# KiCad board mushi_rounded.kicad_pcb
title: mushi; rev: v1.0.0; company: Unknown
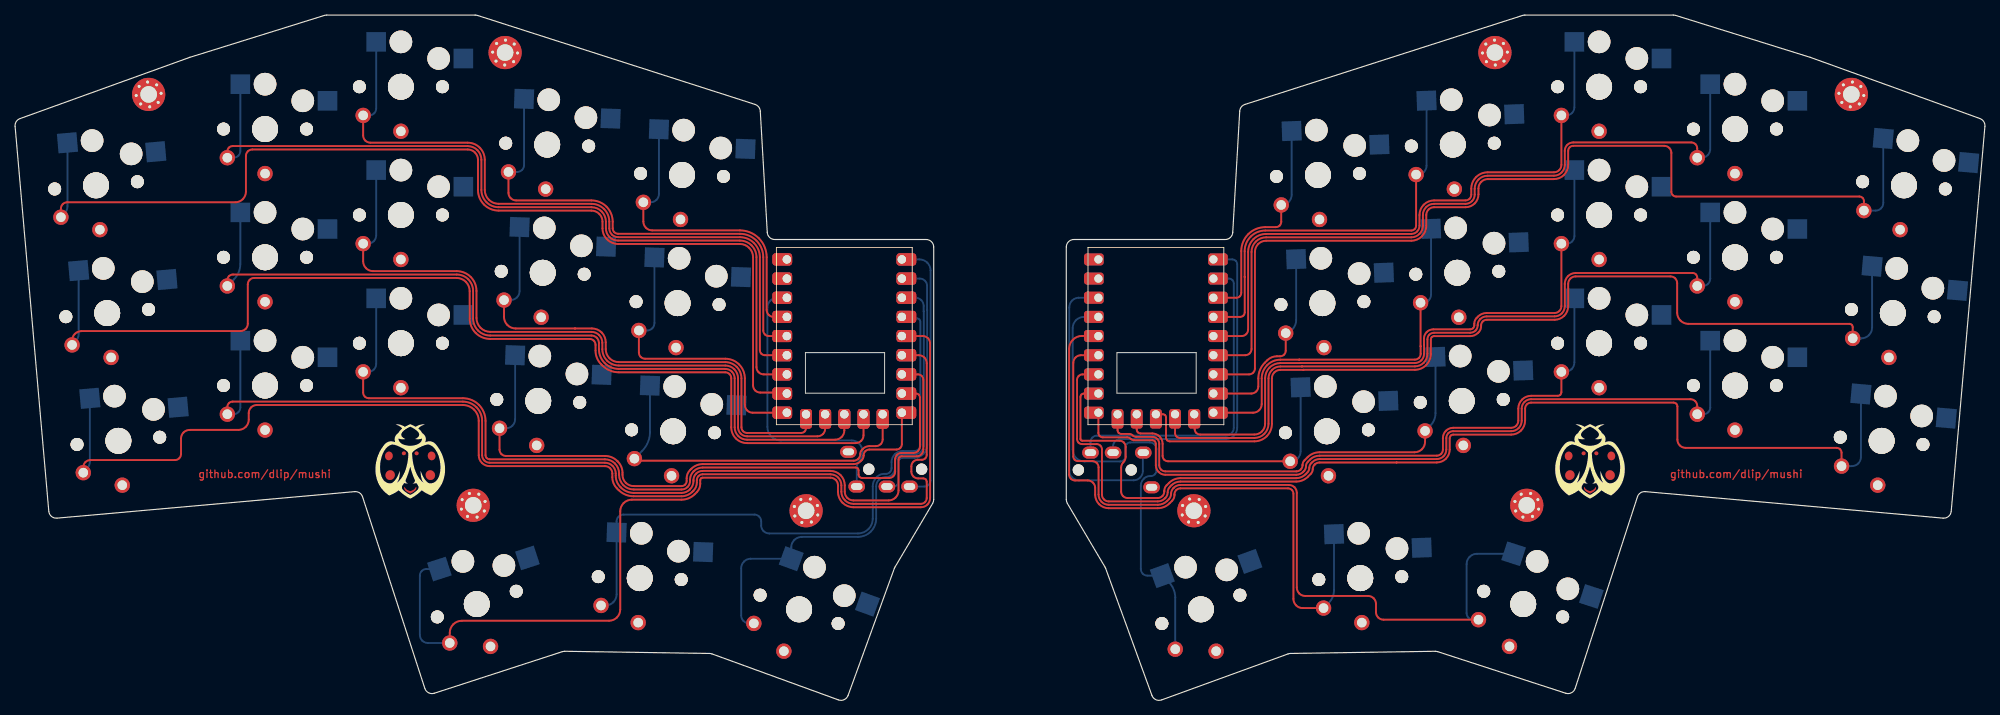
[diagram p0: board, top side]
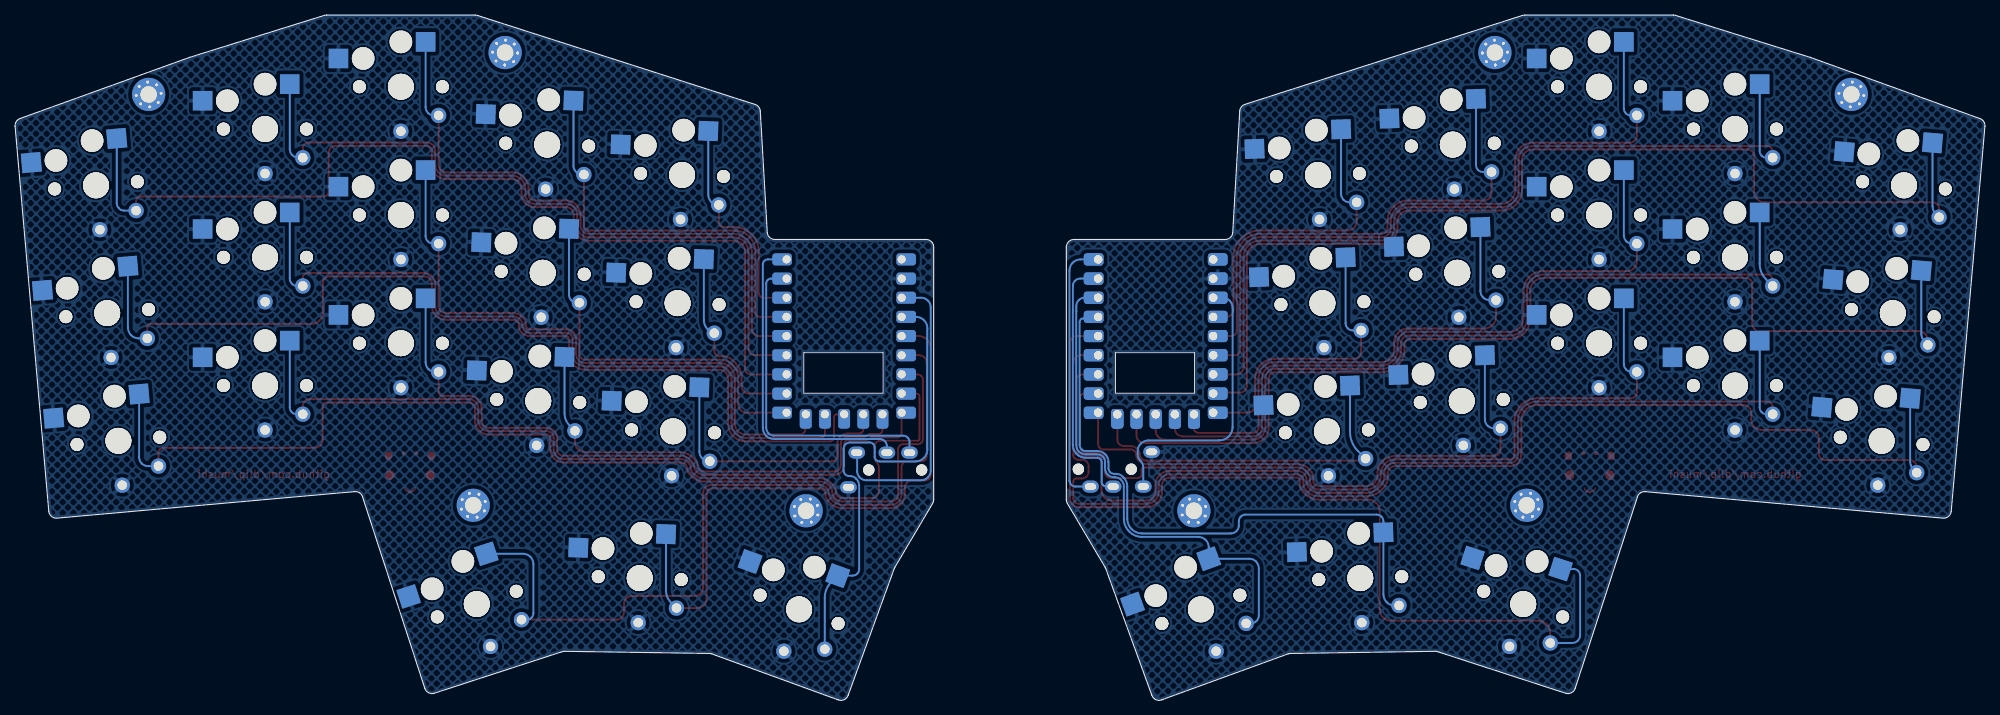
[diagram p1: board, bottom side, seen from below]

Outline 261.02 x 90.79 mm; copper layers: Top, Bottom. Coordinates in mm from the lower left corner of the outline.
Outline path: 0,76.04 arc(0.15,76.67) 0.66,77.07 23.1,85.17 arc(23.12,85.18) 23.14,85.18 40.98,90.74 arc(41.12,90.77) 41.27,90.79 60.96,90.79 arc(61.12,90.77) 61.27,90.74 98.05,78.94 arc(98.54,78.6) 98.74,78.05 99.67,61.98 arc(99.98,61.31) 100.67,61.04 120.72,61.04 arc(121.43,60.74) 121.72,60.04 121.72,26.56 arc(121.69,26.3) 121.58,26.05 116.58,17.59 arc(116.54,17.51) 116.5,17.43 110.38,0.6 arc(109.86,0.03) 109.1,0 92.34,6.1 arc(92.18,6.14) 92.01,6.16 72.84,6.45 arc(72.67,6.44) 72.51,6.4 55.55,0.89 arc(54.79,0.95) 54.29,1.53 46.04,26.93 arc(45.64,27.45) 45,27.61 5.55,24.1 arc(4.82,24.33) 4.46,25.01 0,76.04 ; 139.29,60.04 139.29,26.56 arc(139.33,26.3) 139.43,26.05 144.43,17.59 arc(144.48,17.51) 144.51,17.43 150.64,0.6 arc(151.15,0.03) 151.92,0 168.68,6.1 arc(168.84,6.14) 169,6.16 188.18,6.45 arc(188.34,6.44) 188.5,6.4 205.46,0.89 arc(206.23,0.95) 206.72,1.53 214.97,26.93 arc(215.37,27.45) 216.01,27.61 255.47,24.1 arc(256.2,24.33) 256.55,25.01 261.02,76.04 arc(260.86,76.67) 260.36,77.07 237.92,85.17 arc(237.89,85.18) 237.87,85.18 220.04,90.74 arc(219.89,90.77) 219.74,90.79 200.05,90.79 arc(199.9,90.77) 199.75,90.74 162.97,78.94 arc(162.48,78.6) 162.27,78.05 161.35,61.98 arc(161.04,61.31) 160.35,61.04 140.29,61.04 arc(139.59,60.74) 139.29,60.04

## Placement (name value [footprint] x y rotation side)
_1  -  [MountingHole_2.2mm_M2_Pad_Via]  17.7 80.27 5 top
_2  -  [MountingHole_2.2mm_M2_Pad_Via]  64.93 85.82 358 top
_3  -  [MountingHole_2.2mm_M2_Pad_Via]  60.71 25.8 18 top
_4  -  [MountingHole_2.2mm_M2_Pad_Via]  104.81 25.08 340 top
_5  -  [MountingHole_2.2mm_M2_Pad_Via]  243.32 80.27 355 top
_6  -  [MountingHole_2.2mm_M2_Pad_Via]  196.09 85.82 2 top
_7  -  [MountingHole_2.2mm_M2_Pad_Via]  200.31 25.8 342 top
_8  -  [MountingHole_2.2mm_M2_Pad_Via]  156.2 25.08 20 top
NOREF  LOGO  [mushi_copper2]  52.39 31.34 0 top
NOREF#2  LOGO  [mushi_copper2]  208.71 31.34 0 top
RP2040Zero1  -  [RP2040-Zero#2]  99.72 35.54 0 top
RP2040Zero2  -  [RP2040-Zero]  141 35.54 0 top
S1  -  [PG1350#2]  13.69 34.34 5 top
S2  -  [PG1350#2]  12.2 51.28 5 top
S3  -  [PG1350#2]  10.72 68.21 5 top
S4  -  [PG1350#2]  33.12 41.68 0 top
S5  -  [PG1350#2]  33.12 58.68 0 top
S6  -  [PG1350#2]  33.12 75.68 0 top
S7  -  [PG1350#2]  51.12 47.29 0 top
S8  -  [PG1350#2]  51.12 64.29 0 top
S9  -  [PG1350#2]  51.12 81.29 0 top
S10  -  [PG1350#2]  69.32 39.64 358 top
S11  -  [PG1350#2]  69.91 56.63 358 top
S12  -  [PG1350#2]  70.51 73.62 358 top
S13  -  [PG1350#2]  87.19 35.61 358 top
S14  -  [PG1350#2]  87.78 52.6 358 top
S15  -  [PG1350#2]  88.38 69.59 358 top
S16  -  [PG1350#2]  61.18 12.7 18 top
S17  -  [PG1350#2]  82.77 16.14 358 top
S18  -  [PG1350#2]  103.89 12.01 340 top
S19  -  [PG1350]  13.69 34.34 185 top
S20  -  [PG1350]  12.2 51.28 185 top
S21  -  [PG1350]  10.72 68.21 185 top
S22  -  [PG1350]  33.12 41.68 180 top
S23  -  [PG1350]  33.12 58.68 180 top
S24  -  [PG1350]  33.12 75.68 180 top
S25  -  [PG1350]  51.12 47.29 180 top
S26  -  [PG1350]  51.12 64.29 180 top
S27  -  [PG1350]  51.12 81.29 180 top
S28  -  [PG1350]  69.32 39.64 178 top
S29  -  [PG1350]  69.91 56.63 178 top
S30  -  [PG1350]  70.51 73.62 178 top
S31  -  [PG1350]  87.19 35.61 178 top
S32  -  [PG1350]  87.78 52.6 178 top
S33  -  [PG1350]  88.38 69.59 178 top
S34  -  [PG1350]  61.18 12.7 198 top
S35  -  [PG1350]  82.77 16.14 178 top
S36  -  [PG1350]  103.89 12.01 160 top
S37  -  [PG1350#2]  247.33 34.34 355 top
S38  -  [PG1350#2]  248.81 51.28 355 top
S39  -  [PG1350#2]  250.29 68.21 355 top
S40  -  [PG1350#2]  227.89 41.68 0 top
S41  -  [PG1350#2]  227.89 58.68 0 top
S42  -  [PG1350#2]  227.89 75.68 0 top
S43  -  [PG1350#2]  209.89 47.29 0 top
S44  -  [PG1350#2]  209.89 64.29 0 top
S45  -  [PG1350#2]  209.89 81.29 0 top
S46  -  [PG1350#2]  191.69 39.64 2 top
S47  -  [PG1350#2]  191.1 56.63 2 top
S48  -  [PG1350#2]  190.51 73.62 2 top
S49  -  [PG1350#2]  173.82 35.61 2 top
S50  -  [PG1350#2]  173.23 52.6 2 top
S51  -  [PG1350#2]  172.64 69.59 2 top
S52  -  [PG1350#2]  199.84 12.7 342 top
S53  -  [PG1350#2]  178.25 16.14 2 top
S54  -  [PG1350#2]  157.13 12.01 20 top
S55  -  [PG1350]  247.33 34.34 175 top
S56  -  [PG1350]  248.81 51.28 175 top
S57  -  [PG1350]  250.29 68.21 175 top
S58  -  [PG1350]  227.89 41.68 180 top
S59  -  [PG1350]  227.89 58.68 180 top
S60  -  [PG1350]  227.89 75.68 180 top
S61  -  [PG1350]  209.89 47.29 180 top
S62  -  [PG1350]  209.89 64.29 180 top
S63  -  [PG1350]  209.89 81.29 180 top
S64  -  [PG1350]  191.69 39.64 182 top
S65  -  [PG1350]  191.1 56.63 182 top
S66  -  [PG1350]  190.51 73.62 182 top
S67  -  [PG1350]  173.82 35.61 182 top
S68  -  [PG1350]  173.23 52.6 182 top
S69  -  [PG1350]  172.64 69.59 182 top
S70  -  [PG1350]  199.84 12.7 162 top
S71  -  [PG1350]  178.25 16.14 182 top
S72  -  [PG1350]  157.13 12.01 200 top
TRRS1  -  [TRRS-PJ-320A-dual]  121.72 28.29 270 top
TRRS2  -  [TRRS-PJ-320A-dual]  139.29 32.79 90 top

## Footprints (pads in the part's own frame, mm; a bottom-side part is the same pattern mirrored in y, then rotated)
MountingHole_2.2mm_M2_Pad_Via
  round 0.7 hole 0.4: 1(-1.65,0) 1(-1.167,1.167) 1(-1.167,-1.167) 1(0,1.65) 1(0,-1.65) 1(1.167,1.167) 1(1.167,-1.167) 1(1.65,0)
  round 4.4 hole 2.2: 1(0,0)
PG1350
  round 1.702 hole 1.702 unplated: (-5.5,0) (5.5,0)
  round 3.429 hole 3.429 unplated: (0,0)
  round 2.032 hole 1.27: 1(5,3.8) 2(0,5.9)
PG1350#2
  round 1.702 hole 1.702 unplated: (-5.5,0) (5.5,0)
  round 3 hole 3 unplated: (0,5.95) (5,3.75)
  round 3.429 hole 3.429 unplated: (0,0)
  rect 2.6x2.6 smd far side: 1(-3.275,5.95) 2(8.275,3.75)
RP2040-Zero
  rrect 2.6x1.6 hole 1.092: 1(17.78,22.86) 2(17.78,20.32) 3(17.78,17.78) 4(17.78,15.24) 5(17.78,12.7) 6(17.78,10.16) 7(17.78,7.62) 8(17.78,5.08) 9(17.78,2.54) 15(2.54,2.54) 16(2.54,5.08) 17(2.54,7.62) 18(2.54,10.16) 19(2.54,22.86) 20(2.54,20.32) 21(2.54,17.78) 22(2.54,12.7) 23(2.54,15.24)
  rrect 1.6x2.6 hole 1.092: 10(15.24,2.33)
  rrect 1.575x2.6 hole 1.092: 11(12.7,2.33) 12(10.16,2.33) 13(7.62,2.33) 14(5.08,2.33)
RP2040-Zero#2
  rrect 2.6x1.6 hole 1.092: 1(17.78,22.86) 1(17.78,22.86) 2(17.78,20.32) 2(17.78,20.32) 3(17.78,17.78) 3(17.78,17.78) 4(17.78,15.24) 4(17.78,15.24) 5(17.78,12.7) 5(17.78,12.7) 6(17.78,10.16) 6(17.78,10.16) 7(17.78,7.62) 7(17.78,7.62) 8(17.78,5.08) 8(17.78,5.08) 9(17.78,2.54) 9(17.78,2.54) 15(2.54,2.54) 15(2.54,2.54) 16(2.54,5.08) 16(2.54,5.08) 17(2.54,7.62) 17(2.54,7.62) 18(2.54,10.16) 18(2.54,10.16) 19(2.54,22.86) 19(2.54,22.86) 20(2.54,20.32) 20(2.54,20.32) 21(2.54,17.78) 21(2.54,17.78) 22(2.54,12.7) 22(2.54,12.7) 23(2.54,15.24) 23(2.54,15.24)
  rrect 1.6x2.6 hole 1.092: 10(15.24,2.33) 10(15.24,2.33)
  rrect 1.575x2.6 hole 1.092: 11(12.7,2.33) 11(12.7,2.33) 12(10.16,2.33) 12(10.16,2.33) 13(7.62,2.33) 13(7.62,2.33) 14(5.08,2.33) 14(5.08,2.33)
TRRS-PJ-320A-dual
  round 1.5 hole 1.5 unplated: (-2.3,-1.6) (-2.3,-8.6)
  oval 1.6x2.2 hole 0.9x1.5: 1(-4.6,-11.3) 2(0,-10.2) 3(0,-6.2) 4(0,-3.2)

## Nets
GND: RP2040Zero1.20 S1.2 S2.2 S3.2 S4.2 S5.2 S6.2 S7.2 S8.2 S9.2 S10.2 S11.2 S12.2 S13.2 S14.2 S15.2 S16.2 S17.2 S18.2 S19.2 S20.2 S21.2 S22.2 S23.2 S24.2 S25.2 S26.2 S27.2 S28.2 S29.2 S30.2 S31.2 S32.2 S33.2 S34.2 S35.2 S36.2 TRRS1.1
P3V3: RP2040Zero1.21 TRRS1.2
P5V: RP2040Zero1.19
matrix_index_bottom: RP2040Zero1.9 S10.1 S28.1
matrix_index_middle: RP2040Zero1.14 S11.1 S29.1
matrix_index_top: RP2040Zero1.22 S12.1 S30.1
matrix_middle_bottom: RP2040Zero1.8 S7.1 S25.1
matrix_middle_middle: RP2040Zero1.13 S8.1 S26.1
matrix_middle_top: RP2040Zero1.18 S9.1 S27.1
matrix_outer_bottom: RP2040Zero1.10 S13.1 S31.1
matrix_outer_middle: RP2040Zero1.15 S14.1 S32.1
matrix_outer_top: RP2040Zero1.23 S15.1 S33.1
matrix_pinky_bottom: RP2040Zero1.6 S1.1 S19.1
matrix_pinky_middle: RP2040Zero1.11 S2.1 S20.1
matrix_pinky_top: RP2040Zero1.16 S3.1 S21.1
matrix_ring_bottom: RP2040Zero1.7 S4.1 S22.1
matrix_ring_middle: RP2040Zero1.12 S5.1 S23.1
matrix_ring_top: RP2040Zero1.17 S6.1 S24.1
mirror_matrix_index_bottom: RP2040Zero2.14 S46.1 S64.1
mirror_matrix_index_middle: RP2040Zero2.9 S47.1 S65.1
mirror_matrix_index_top: RP2040Zero2.4 S48.1 S66.1
mirror_matrix_middle_bottom: RP2040Zero2.15 S43.1 S61.1
mirror_matrix_middle_middle: RP2040Zero2.10 S44.1 S62.1
mirror_matrix_middle_top: RP2040Zero2.5 S45.1 S63.1
mirror_matrix_outer_bottom: RP2040Zero2.13 S49.1 S67.1
mirror_matrix_outer_middle: RP2040Zero2.8 S50.1 S68.1
mirror_matrix_outer_top: RP2040Zero2.3 S51.1 S69.1
mirror_matrix_pinky_bottom: RP2040Zero2.17 S37.1 S55.1
mirror_matrix_pinky_middle: RP2040Zero2.12 S38.1 S56.1
mirror_matrix_pinky_top: RP2040Zero2.7 S39.1 S57.1
mirror_matrix_ring_bottom: RP2040Zero2.16 S40.1 S58.1
mirror_matrix_ring_middle: RP2040Zero2.11 S41.1 S59.1
mirror_matrix_ring_top: RP2040Zero2.6 S42.1 S60.1
mirror_thumbs_inner_cluster: RP2040Zero2.18 S52.1 S70.1
mirror_thumbs_middle_cluster: RP2040Zero2.22 S53.1 S71.1
mirror_thumbs_outer_cluster: RP2040Zero2.23 S54.1 S72.1
rGND: RP2040Zero2.20 S37.2 S38.2 S39.2 S40.2 S41.2 S42.2 S43.2 S44.2 S45.2 S46.2 S47.2 S48.2 S49.2 S50.2 S51.2 S52.2 S53.2 S54.2 S55.2 S56.2 S57.2 S58.2 S59.2 S60.2 S61.2 S62.2 S63.2 S64.2 S65.2 S66.2 S67.2 S68.2 S69.2 S70.2 S71.2 S72.2 TRRS2.1
rP3V3: RP2040Zero2.21 TRRS2.2
rP5V: RP2040Zero2.19
rRX: RP2040Zero2.2 TRRS2.4
rTX: RP2040Zero2.1 TRRS2.3
RX: RP2040Zero1.2 TRRS1.3
thumbs_inner_cluster: RP2040Zero1.5 S16.1 S34.1
thumbs_middle_cluster: RP2040Zero1.4 S17.1 S35.1
thumbs_outer_cluster: RP2040Zero1.3 S18.1 S36.1
TX: RP2040Zero1.1 TRRS1.4

Pads without a net: _1 1; _2 1; _3 1; _4 1; _5 1; _6 1; _7 1; _8 1

## Routing (per net, layer and track width the routed paths; a pad name or vN(x,y) marks a point on that pad's centre or on a via; arc(x,y) is an arc through that point)
P3V3: length 38.4
  Bottom w0.25: TRRS1.2 111.52,30.81 arc(111.62,31.29) 111.89,31.7 arc(112.16,32.11) 112.26,32.59 112.26,32.99 arc(112.15,33.52) 111.85,33.98 arc(111.39,34.29) 110.85,34.39 101.48,34.39 arc(100.79,34.53) 100.21,34.92 arc(99.82,35.5) 99.69,36.19 99.69,52 arc(99.79,52.5) 100.07,52.93 arc(100.5,53.22) 101,53.32 RP2040Zero1.21
matrix_index_bottom: length 77.6
  Top w0.25: RP2040Zero1.9 117.5,33.9 arc(117.45,33.63) 117.29,33.4 arc(117.06,33.25) 116.79,33.19 113.2,33.19 arc(112.91,33.14) 112.66,32.97 arc(112.49,32.72) 112.44,32.43 112.44,32.39 arc(112.37,32.06) 112.18,31.78 112.05,31.65 arc(111.62,31.36) 111.12,31.26 91.11,31.26 arc(90.3,31.1) 89.61,30.64 89.44,30.47 arc(89.1,29.97) 88.99,29.38 88.99,29.03 arc(88.93,28.77) 88.79,28.54 arc(88.56,28.4) 88.3,28.34 81.98,28.34 arc(81.41,28.46) 80.92,28.78 arc(80.6,29.26) 80.49,29.83 80.49,30.1 arc(80.32,30.91) 79.86,31.6 79.8,31.66 arc(79.05,32.17) 78.15,32.34 65.04,32.34 arc(64.71,32.41) 64.44,32.59 arc(64.26,32.87) 64.19,33.19 S28.1
  Bottom w0.25: S10.1 66.26,37.21 arc(66.16,36.75) 65.91,36.36 arc(65.52,36.1) 65.06,36.01 S28.1
matrix_index_middle: length 67.6
  Top w0.25: RP2040Zero1.14 104.8,36.03 arc(104.75,35.79) 104.61,35.58 arc(104.41,35.44) 104.16,35.39 97,35.39 arc(96.71,35.45) 96.47,35.61 arc(96.3,35.86) 96.25,36.14 96.25,42.63 arc(96.08,43.46) 95.62,44.15 arc(94.92,44.62) 94.1,44.78 79.99,44.78 arc(79.33,44.91) 78.77,45.29 arc(78.39,45.85) 78.26,46.51 78.26,47.41 arc(78.12,48.11) 77.72,48.71 arc(77.13,49.1) 76.43,49.24 74.2,49.24 arc(74.19,49.24) 74.19,49.24 arc(74.19,49.24) 74.19,49.24 66.33,49.24 arc(65.74,49.36) 65.24,49.69 arc(64.9,50.19) 64.78,50.79 S29.1
  Bottom w0.25: S29.1 65.65,53 arc(66.11,53.09) 66.5,53.35 arc(66.76,53.74) 66.85,54.21 S11.1
matrix_index_top: length 66.4
  Top w0.25: S30.1 65.38,67.22 arc(65.45,66.83) 65.67,66.51 arc(66,66.29) 66.38,66.22 76.37,66.22 arc(77.45,66) 78.36,65.39 arc(78.97,64.48) 79.19,63.4 79.19,62.52 arc(79.24,62.24) 79.4,62.01 arc(79.63,61.85) 79.91,61.79 96.04,61.79 arc(97.22,61.56) 98.23,60.89 arc(98.9,59.88) 99.14,58.69 99.14,48.98 arc(99.19,48.69) 99.35,48.45 arc(99.59,48.29) 99.88,48.24 RP2040Zero1.22
  Bottom w0.25: S12.1 67.44,70.9 arc(67.37,70.55) 67.18,70.26 arc(66.88,70.06) 66.53,69.99 S30.1
matrix_middle_bottom: length 111.9
  Top w0.25: RP2040Zero1.8 119.37,40.62 arc(119.57,40.58) 119.74,40.46 arc(119.86,40.29) 119.9,40.09 119.9,33.6 arc(119.83,33.27) 119.65,32.99 arc(119.37,32.81) 119.04,32.74 117.46,32.74 arc(117.13,32.68) 116.86,32.5 arc(116.68,32.22) 116.61,31.9 116.61,30.23 arc(116.55,29.92) 116.37,29.66 arc(116.11,29.48) 115.8,29.42 112.23,29.42 arc(112.05,29.45) 111.9,29.56 arc(111.8,29.71) 111.76,29.89 111.76,30.44 arc(111.73,30.58) 111.65,30.7 arc(111.53,30.78) 111.39,30.81 91.11,30.81 arc(90.47,30.68) 89.93,30.32 89.89,30.28 arc(89.55,29.78) 89.44,29.19 89.44,29.03 arc(89.35,28.59) 89.1,28.23 arc(88.74,27.98) 88.3,27.89 81.98,27.89 arc(81.23,28.04) 80.6,28.46 arc(80.18,29.09) 80.04,29.83 80.04,30.01 arc(79.89,30.73) 79.49,31.34 arc(78.87,31.75) 78.15,31.89 62.89,31.89 arc(62.68,31.94) 62.5,32.06 arc(62.38,32.23) 62.34,32.45 62.34,36.99 arc(62.11,38.14) 61.46,39.11 arc(60.48,39.77) 59.33,39.99 46.87,39.99 arc(46.58,40.05) 46.34,40.21 arc(46.18,40.46) 46.12,40.75 S25.1
  Bottom w0.25: S7.1 47.85,44.54 arc(47.77,44.14) 47.54,43.79 arc(47.19,43.57) 46.79,43.49 S25.1
matrix_middle_middle: length 95
  Top w0.25: S26.1 46.12,58.15 arc(46.22,57.65) 46.5,57.23 arc(46.93,56.94) 47.43,56.84 58.51,56.84 arc(59.51,56.64) 60.37,56.07 arc(60.94,55.22) 61.14,54.22 61.14,50.63 arc(61.28,49.93) 61.68,49.33 arc(62.27,48.93) 62.98,48.79 76.37,48.79 arc(76.92,48.68) 77.39,48.37 arc(77.7,47.9) 77.81,47.35 77.81,46.51 arc(77.98,45.68) 78.45,44.97 arc(79.16,44.5) 79.99,44.33 94.1,44.33 arc(94.75,44.2) 95.3,43.83 arc(95.67,43.28) 95.8,42.63 95.8,36.14 arc(95.89,35.68) 96.15,35.3 arc(96.54,35.04) 97,34.94 106.33,34.94 arc(106.71,35.02) 107.04,35.24 arc(107.26,35.57) 107.34,35.96 RP2040Zero1.13
  Bottom w0.25: S8.1 47.85,61.58 arc(47.76,61.16) 47.52,60.81 arc(47.17,60.57) 46.75,60.49 S26.1
matrix_middle_top: length 93.9
  Top w0.25: RP2040Zero1.18 99.37,45.7 arc(99.11,45.75) 98.89,45.89 arc(98.74,46.12) 98.69,46.38 98.69,58.69 arc(98.48,59.71) 97.91,60.57 arc(97.05,61.14) 96.04,61.34 79.91,61.34 arc(79.46,61.43) 79.08,61.69 arc(78.83,62.07) 78.74,62.52 78.74,63.4 arc(78.56,64.3) 78.04,65.07 arc(77.27,65.59) 76.37,65.77 64.08,65.77 arc(63.37,65.91) 62.78,66.3 arc(62.38,66.9) 62.24,67.61 62.24,71.6 arc(62.06,72.47) 61.57,73.21 arc(60.84,73.7) 59.97,73.87 47.09,73.87 arc(46.72,73.94) 46.4,74.15 arc(46.19,74.46) 46.12,74.83 S27.1
  Bottom w0.25: S27.1 46.92,77.49 arc(47.27,77.56) 47.57,77.76 arc(47.78,78.06) 47.85,78.41 S9.1
matrix_outer_bottom: length 47.9
  Top w0.25: RP2040Zero1.10 114.96,34.54 arc(114.89,34.2) 114.7,33.91 arc(114.41,33.71) 114.06,33.64 113.2,33.64 arc(112.74,33.55) 112.34,33.29 112.24,33.18 arc(112.05,32.9) 111.99,32.57 arc(111.92,32.25) 111.73,31.97 111.73,31.96 arc(111.45,31.78) 111.12,31.71 82.34,31.71
  Bottom w0.25: S13.1 84.13,35.51 arc(83.86,34.16) 83.09,33.02 S31.1
matrix_outer_middle: length 39.9
  Top w0.25: S32.1 82.66,46.05 arc(82.72,45.74) 82.9,45.47 arc(83.16,45.29) 83.48,45.23 94.1,45.23 arc(95.09,45.03) 95.94,44.47 arc(96.5,43.63) 96.7,42.63 96.7,39.11 arc(96.78,38.72) 97,38.38 arc(97.34,38.15) 97.73,38.08 RP2040Zero1.15
  Bottom w0.25: S14.1 84.72,49.96 arc(84.64,49.58) 84.43,49.26 arc(84.11,49.05) 83.74,48.98 S32.1
matrix_outer_top: length 43
  Top w0.25: S33.1 83.25,63.42 arc(83.34,62.97) 83.59,62.59 arc(83.97,62.33) 84.42,62.24 96.04,62.24 arc(97.39,61.97) 98.55,61.2 arc(99.32,60.05) 99.59,58.69 99.59,51.7 arc(99.66,51.35) 99.86,51.05 arc(100.16,50.85) 100.51,50.78 RP2040Zero1.23
  Bottom w0.25: S15.1 85.31,67.08 arc(85.23,66.66) 84.99,66.29 arc(84.62,66.05) 84.19,65.97 S33.1
matrix_pinky_bottom: length 167
  Top w0.25: S19.1 9.04,30.86 arc(9.11,31.21) 9.31,31.52 arc(9.62,31.72) 9.97,31.79 21.18,31.79 arc(21.49,31.86) 21.75,32.03 arc(21.92,32.29) 21.99,32.6 21.99,34.64 arc(22.07,35.08) 22.32,35.46 arc(22.7,35.71) 23.14,35.79 29.6,35.79 arc(30.12,35.9) 30.56,36.19 arc(30.86,36.64) 30.96,37.16 30.96,38.03 arc(31.04,38.44) 31.27,38.78 arc(31.62,39.01) 32.03,39.09 59.33,39.09 arc(60.14,38.93) 60.82,38.48 arc(61.28,37.79) 61.44,36.99 61.44,32.45 arc(61.55,31.89) 61.86,31.42 arc(62.33,31.1) 62.89,30.99 78.15,30.99 arc(78.53,30.92) 78.85,30.71 arc(79.06,30.39) 79.14,30.01 79.14,29.54 arc(79.3,28.72) 79.76,28.03 79.97,27.83 arc(80.89,27.21) 81.98,26.99 88.3,26.99 arc(89.08,27.15) 89.74,27.59 89.89,27.73 arc(90.22,28.23) 90.34,28.82 90.34,29.14 arc(90.4,29.43) 90.56,29.68 arc(90.81,29.85) 91.11,29.91 108.03,29.91 arc(108.58,29.8) 109.06,29.48 arc(109.38,29.01) 109.49,28.45 109.49,27.6 arc(109.61,26.98) 109.96,26.46 arc(110.48,26.12) 111.09,25.99 120.03,25.99 arc(120.32,26.05) 120.57,26.22 arc(120.74,26.47) 120.8,26.76 120.8,28.92 arc(120.76,29.09) 120.67,29.23 arc(120.52,29.33) 120.35,29.36 119.67,29.36 arc(119.32,29.43) 119.03,29.63 arc(118.83,29.92) 118.76,30.27 118.76,30.95 arc(118.83,31.29) 119.02,31.58 arc(119.3,31.77) 119.64,31.83 120.15,31.83 arc(120.4,31.88) 120.61,32.02 arc(120.75,32.23) 120.8,32.48 120.8,44.65 arc(120.72,45.05) 120.49,45.39 arc(120.15,45.62) 119.75,45.7 RP2040Zero1.6
  Bottom w0.25: S1.1 9.91,31.61 arc(9.79,31.04) 9.47,30.56 S19.1
matrix_pinky_middle: length 143.1
  Top w0.25: S20.1 7.55,47.65 arc(7.65,48.12) 7.92,48.53 arc(8.33,48.8) 8.8,48.89 29.85,48.89 arc(30.23,48.97) 30.55,49.18 arc(30.76,49.5) 30.84,49.88 30.84,55.09 arc(30.9,55.42) 31.09,55.69 arc(31.36,55.88) 31.69,55.94 58.49,55.94 arc(59.16,55.81) 59.72,55.43 arc(60.1,54.86) 60.24,54.19 60.24,50.57 arc(60.44,49.53) 61.03,48.65 arc(61.91,48.06) 62.95,47.85 76.13,47.85 arc(76.43,47.79) 76.68,47.62 arc(76.85,47.37) 76.91,47.07 76.91,46.31 arc(77.11,45.32) 77.67,44.47 77.81,44.33 arc(78.81,43.67) 79.99,43.43 94.1,43.43 arc(94.4,43.37) 94.66,43.2 arc(94.84,42.94) 94.9,42.63 94.9,36.14 arc(95.06,35.34) 95.51,34.66 arc(96.19,34.2) 97,34.04 111.38,34.04 arc(111.78,34.12) 112.12,34.35 arc(112.34,34.69) 112.42,35.09 RP2040Zero1.11
  Bottom w0.25: S20.1 7.99,47.49 arc(8.31,47.97) 8.42,48.54 S2.1
matrix_pinky_top: length 141.6
  Top w0.25: S21.1 6.07,65.14 arc(6.14,65.45) 6.32,65.72 arc(6.59,65.91) 6.91,65.97 29.18,65.97 arc(29.72,66.08) 30.17,66.38 arc(30.48,66.84) 30.59,67.38 30.59,72.12 arc(30.65,72.44) 30.84,72.72 arc(31.11,72.9) 31.44,72.97 59.97,72.97 arc(60.49,72.87) 60.94,72.57 arc(61.23,72.13) 61.34,71.6 61.34,67.61 arc(61.54,66.56) 62.14,65.67 arc(63.03,65.07) 64.08,64.87 76.37,64.87 arc(76.93,64.75) 77.41,64.44 arc(77.72,63.96) 77.84,63.4 77.84,62.52 arc(77.99,61.72) 78.44,61.05 arc(79.12,60.6) 79.91,60.44 96.04,60.44 arc(96.71,60.31) 97.27,59.93 arc(97.65,59.36) 97.79,58.69 97.79,41.7 arc(97.86,41.34) 98.07,41.03 arc(98.38,40.82) 98.75,40.74 102.13,40.74
  Bottom w0.25: S21.1 6.51,64.43 arc(6.83,64.91) 6.94,65.48 S3.1
matrix_ring_bottom: length 136.1
  Top w0.25: S22.1 28.12,38.84 arc(28.18,39.11) 28.33,39.34 arc(28.56,39.49) 28.83,39.54 59.33,39.54 arc(60.31,39.35) 61.14,38.8 arc(61.69,37.97) 61.89,36.99 61.89,32.45 arc(61.96,32.06) 62.18,31.74 arc(62.5,31.52) 62.89,31.44 78.15,31.44 arc(78.7,31.34) 79.17,31.02 arc(79.48,30.56) 79.59,30.01 79.59,29.72 arc(79.75,28.91) 80.21,28.22 80.29,28.14 arc(81.06,27.63) 81.98,27.44 88.3,27.44 arc(88.91,27.56) 89.42,27.91 89.44,27.92 arc(89.77,28.42) 89.89,29.01 89.89,29.14 arc(89.98,29.61) 90.24,30 arc(90.64,30.27) 91.11,30.36 108.03,30.36 arc(108.76,30.22) 109.38,29.8 arc(109.79,29.18) 109.94,28.45 109.94,27.6 arc(110.02,27.16) 110.27,26.78 arc(110.65,26.53) 111.09,26.44 115.74,26.44 arc(116.24,26.54) 116.67,26.83 arc(116.96,27.26) 117.06,27.77 117.06,31.9 arc(117.09,32.05) 117.18,32.18 arc(117.31,32.26) 117.46,32.29 119.45,32.29 arc(119.79,32.36) 120.08,32.56 arc(120.28,32.85) 120.35,33.19 120.35,42.44 arc(120.29,42.71) 120.14,42.94 arc(119.9,43.1) 119.63,43.16 RP2040Zero1.7
  Bottom w0.25: S22.1 28.94,37.88 arc(29.29,37.94) 29.58,38.14 arc(29.78,38.43) 29.85,38.78 S4.1
matrix_ring_middle: length 113.3
  Top w0.25: RP2040Zero1.12 109.88,35.72 arc(109.79,35.25) 109.52,34.85 arc(109.12,34.59) 108.65,34.49 97,34.49 arc(96.36,34.62) 95.83,34.98 arc(95.47,35.51) 95.35,36.14 95.35,42.63 arc(95.25,43.11) 94.98,43.52 arc(94.58,43.79) 94.1,43.88 79.99,43.88 arc(78.98,44.08) 78.13,44.65 arc(77.56,45.5) 77.36,46.51 77.36,47.31 arc(77.29,47.69) 77.07,48.01 arc(76.74,48.23) 76.36,48.3 62.95,48.3 arc(62.09,48.48) 61.35,48.97 arc(60.86,49.7) 60.69,50.57 60.69,54.22 arc(60.52,55.05) 60.05,55.76 arc(59.34,56.23) 58.51,56.39 28.87,56.39 arc(28.58,56.34) 28.34,56.17 arc(28.18,55.93) 28.12,55.64 S23.1
  Bottom w0.25: S23.1 28.98,55.74 arc(29.62,56.69) 29.85,57.82 S5.1
matrix_ring_top: length 112.1
  Top w0.25: S24.1 28.12,72.71 arc(28.18,72.98) 28.33,73.21 arc(28.56,73.37) 28.83,73.42 59.97,73.42 arc(60.67,73.28) 61.25,72.89 arc(61.65,72.3) 61.79,71.6 61.79,67.61 arc(61.96,66.73) 62.46,65.99 arc(63.2,65.49) 64.08,65.32 76.37,65.32 arc(77.1,65.17) 77.72,64.75 arc(78.14,64.13) 78.29,63.4 78.29,62.52 arc(78.41,61.9) 78.76,61.37 arc(79.29,61.02) 79.91,60.89 96.04,60.89 arc(96.88,60.73) 97.59,60.25 arc(98.07,59.54) 98.24,58.69 98.24,44.13 arc(98.31,43.75) 98.52,43.44 arc(98.83,43.23) 99.21,43.16 RP2040Zero1.17
  Bottom w0.25: S24.1 28.94,71.88 arc(29.29,71.94) 29.58,72.14 arc(29.78,72.43) 29.85,72.78 S6.1
mirror_matrix_index_bottom: length 60.8
  Top w0.25: S64.1 186.83,34.22 arc(186.72,33.69) 186.42,33.24 arc(185.97,32.94) 185.44,32.83 172.86,32.83 arc(171.99,32.66) 171.26,32.17 170.85,31.76 arc(170.66,31.48) 170.6,31.14 170.6,31.13 arc(170.53,30.81) 170.35,30.54 arc(170.08,30.36) 169.76,30.3 152.42,30.3 arc(152.11,30.36) 151.84,30.54 arc(151.67,30.8) 151.61,31.11 151.61,33.95 arc(151.54,34.3) 151.33,34.6 arc(151.03,34.8) 150.68,34.87 148.55,34.87 arc(148.3,34.92) 148.09,35.07 arc(147.87,35.21) 147.62,35.26 146.58,35.26 arc(146.39,35.3) 146.23,35.4 arc(146.12,35.56) 146.08,35.75 RP2040Zero2.14
  Bottom w0.25: S64.1 187.52,36.36 arc(188.03,37.12) 188.21,38.03 S46.1
mirror_matrix_index_middle: length 50.2
  Top w0.25: S65.1 186.24,46.9 arc(186.24,46.89) 186.24,46.89 arc(186.24,46.88) 186.25,46.88 186.25,45.88 arc(186.19,45.59) 186.02,45.34 arc(185.77,45.17) 185.48,45.11 170.16,45.11 arc(170.16,45.11) 170.15,45.11 arc(170.15,45.11) 170.14,45.1 167.66,45.1 arc(166.72,44.92) 165.91,44.38 arc(165.37,43.58) 165.19,42.63 165.19,39.22 arc(165.1,38.78) 164.85,38.41 arc(164.48,38.16) 164.05,38.08 RP2040Zero2.9
  Bottom w0.25: S47.1 187.62,53.72 arc(187.54,53.31) 187.31,52.97 187,52.65
mirror_matrix_index_top: length 54.1
  Top w0.25: S66.1 185.64,62.87 arc(185.59,62.62) 185.45,62.41 arc(185.25,62.27) 185,62.22 165.66,62.22 arc(164.61,62.02) 163.73,61.42 arc(163.13,60.54) 162.93,59.49 162.93,56.09 arc(162.93,56.08) 162.93,56.08 arc(162.93,56.07) 162.94,56.07 162.94,51.39 arc(162.89,51.15) 162.76,50.95 arc(162.56,50.82) 162.32,50.78 RP2040Zero2.4
  Bottom w0.25: 186.34,69.64 186.68,69.99 arc(186.94,70.37) 187.03,70.82 S48.1
mirror_matrix_middle_bottom: length 89.3
  Top w0.25: RP2040Zero2.15 143.54,35.4 arc(143.59,35.17) 143.72,34.98 arc(143.91,34.86) 144.13,34.81 147.36,34.81 arc(147.61,34.76) 147.83,34.62 arc(148.04,34.47) 148.29,34.42 150.68,34.42 arc(150.86,34.39) 151.02,34.28 arc(151.12,34.13) 151.16,33.95 151.16,31.11 arc(151.25,30.63) 151.53,30.22 arc(151.94,29.94) 152.42,29.85 169.76,29.85 arc(170.25,29.94) 170.67,30.22 170.79,30.34 arc(170.98,30.62) 171.05,30.96 arc(171.11,31.29) 171.3,31.57 171.58,31.85 arc(172.17,32.24) 172.86,32.38 188.39,32.38 arc(188.7,32.44) 188.96,32.62 arc(189.13,32.88) 189.2,33.19 189.2,34.71 arc(189.3,35.23) 189.59,35.68 arc(190.04,35.97) 190.56,36.07 198.24,36.07 arc(198.6,36.15) 198.91,36.35 arc(199.11,36.66) 199.19,37.02 199.19,38.61 arc(199.32,39.26) 199.68,39.82 arc(200.24,40.18) 200.89,40.31 204.42,40.31 arc(204.6,40.35) 204.76,40.45 arc(204.86,40.61) 204.89,40.79 S61.1
  Bottom w0.25: S43.1 206.62,44.75 arc(206.52,44.27) 206.25,43.86 206.23,43.83 arc(205.84,43.58) 205.39,43.49 S61.1
mirror_matrix_middle_middle: length 83.4
  Top w0.25: 156.31,37.8 156.31,35.9 arc(156.36,35.62) 156.52,35.39 arc(156.75,35.23) 157.02,35.18 164.21,35.18 arc(164.76,35.29) 165.22,35.6 arc(165.53,36.06) 165.64,36.6 165.64,42.63 arc(165.79,43.4) 166.23,44.06 arc(166.89,44.5) 167.66,44.65 170.33,44.65 arc(170.33,44.66) 170.34,44.66 arc(170.34,44.66) 170.35,44.66 185.48,44.66 arc(185.94,44.76) 186.34,45.02 arc(186.6,45.42) 186.7,45.88 186.7,47.06 arc(186.69,47.07) 186.69,47.08 arc(186.69,47.08) 186.69,47.09 186.69,47.9 arc(186.78,48.37) 187.05,48.76 arc(187.44,49.03) 187.91,49.12 192.81,49.12 arc(193.02,49.17) 193.2,49.28 arc(193.31,49.46) 193.36,49.67 193.36,49.89 arc(193.44,50.3) 193.67,50.64 193.84,50.81 arc(194.37,51.17) 195,51.29 203.99,51.29 arc(204.34,51.36) 204.63,51.56 arc(204.83,51.85) 204.89,52.2 S62.1
  Bottom w0.25: S44.1 206.62,61.5 arc(206.54,61.11) 206.32,60.78 arc(206,60.56) 205.61,60.49 S62.1
mirror_matrix_middle_top: length 82
  Top w0.25: RP2040Zero2.5 162.52,48.24 arc(162.85,48.3) 163.13,48.49 arc(163.32,48.77) 163.39,49.1 163.39,59.39 arc(163.57,60.3) 164.08,61.08 arc(164.86,61.59) 165.77,61.77 185,61.77 arc(185.42,61.86) 185.77,62.09 arc(186.01,62.45) 186.09,62.87 186.09,64.28 arc(186.24,65.02) 186.66,65.65 arc(187.29,66.07) 188.03,66.22 192.19,66.22 arc(192.48,66.27) 192.73,66.44 arc(192.9,66.69) 192.96,66.98 192.96,67.76 arc(193.12,68.6) 193.59,69.31 arc(194.3,69.78) 195.14,69.94 203.91,69.94 arc(204.29,70.02) 204.61,70.23 arc(204.82,70.55) 204.89,70.93 S63.1
  Bottom w0.25: S63.1 205.52,77.49 arc(205.94,77.57) 206.3,77.81 arc(206.54,78.16) 206.62,78.58 S45.1
mirror_matrix_outer_bottom: length 35.5
  Top w0.25: RP2040Zero2.13 148.62,35.84 arc(148.66,35.64) 148.78,35.47 arc(148.94,35.36) 149.14,35.32 150.68,35.32 arc(151.21,35.22) 151.65,34.92 arc(151.95,34.47) 152.06,33.95 152.06,32.35 arc(152.11,32.08) 152.26,31.85 arc(152.5,31.69) 152.77,31.64 S67.1
  Bottom w0.25: 169.58,31.64 169.96,32.02 arc(170.24,32.44) 170.34,32.94 S49.1
mirror_matrix_outer_middle: length 25.8
  Top w0.25: S68.1 168.37,46.29 arc(168.31,46.01) 168.15,45.77 arc(167.91,45.61) 167.63,45.55 167.19,45.55 arc(166.51,45.42) 165.93,45.03 165.59,44.7 arc(164.96,43.75) 164.74,42.63 164.74,41.55 arc(164.66,41.2) 164.46,40.89 arc(164.16,40.69) 163.8,40.62 RP2040Zero2.8
  Bottom w0.25: 168.74,48.63 169.25,49.13 arc(169.62,49.69) 169.75,50.34 S50.1
mirror_matrix_outer_top: length 29.4
  Top w0.25: S69.1 167.77,63.39 arc(167.72,63.11) 167.56,62.88 arc(167.33,62.73) 167.06,62.67 165.66,62.67 arc(164.44,62.43) 163.41,61.74 arc(162.72,60.71) 162.48,59.49 162.48,53.96 arc(162.43,53.71) 162.29,53.5 arc(162.08,53.36) 161.83,53.32 RP2040Zero2.3
  Bottom w0.25: 168.37,65.62 168.76,66.01 arc(169.05,66.45) 169.16,66.97 S51.1
mirror_matrix_pinky_bottom: length 147.3
  Top w0.25: RP2040Zero2.17 141.45,43.16 arc(141.17,43.1) 140.93,42.94 arc(140.77,42.7) 140.72,42.42 140.72,34.59 arc(140.77,34.33) 140.91,34.11 arc(141.13,33.96) 141.39,33.91 143.32,33.91 arc(143.58,33.86) 143.81,33.71 arc(143.96,33.48) 144.02,33.21 144.02,27.22 arc(144.09,26.87) 144.28,26.58 arc(144.57,26.38) 144.92,26.31 151.41,26.31 arc(151.91,26.41) 152.34,26.7 152.42,26.78 arc(152.65,27.12) 152.73,27.52 arc(152.81,27.92) 153.03,28.26 153.22,28.45 arc(153.77,28.82) 154.42,28.95 169.76,28.95 arc(170.6,29.11) 171.31,29.59 171.69,29.97 arc(171.88,30.25) 171.95,30.58 arc(172.01,30.92) 172.2,31.2 172.21,31.21 arc(172.5,31.41) 172.85,31.47 183.05,31.47 arc(183.06,31.47) 183.06,31.48 arc(183.06,31.48) 183.07,31.48 188.39,31.48 arc(189.04,31.61) 189.6,31.98 arc(189.97,32.54) 190.1,33.19 190.1,34.71 arc(190.13,34.89) 190.23,35.04 arc(190.38,35.14) 190.56,35.17 198.24,35.17 arc(198.95,35.31) 199.55,35.71 arc(199.95,36.31) 200.09,37.02 200.09,38.61 arc(200.15,38.92) 200.32,39.18 arc(200.58,39.35) 200.89,39.41 219.77,39.41 arc(219.96,39.38) 220.12,39.27 arc(220.23,39.11) 220.27,38.92 220.27,34.51 arc(220.35,34.09) 220.59,33.73 arc(220.94,33.5) 221.36,33.41 241.37,33.41 arc(241.62,33.36) 241.83,33.22 arc(241.97,33.01) 242.02,32.76 S55.1
  Bottom w0.25: S55.1 243.39,30.99 arc(243.85,31.09) 244.24,31.34 arc(244.49,31.73) 244.59,32.19 S37.1
mirror_matrix_pinky_middle: length 131.2
  Top w0.25: RP2040Zero2.12 152.11,37.87 arc(152.26,37.84) 152.39,37.75 arc(152.48,37.62) 152.51,37.47 152.51,34.77 arc(152.54,34.58) 152.65,34.42 arc(152.81,34.32) 152.99,34.28 164.21,34.28 arc(165.1,34.46) 165.85,34.96 arc(166.36,35.71) 166.54,36.6 166.54,42.63 arc(166.62,43.06) 166.87,43.42 arc(167.23,43.67) 167.66,43.75 170.7,43.75 arc(170.71,43.76) 170.71,43.76 arc(170.72,43.76) 170.72,43.76 185.48,43.76 arc(186.29,43.93) 186.98,44.38 arc(187.43,45.07) 187.6,45.88 187.6,47.81 arc(187.63,47.97) 187.72,48.1 arc(187.85,48.19) 188.01,48.22 192.81,48.22 arc(193.36,48.33) 193.83,48.65 193.94,48.76 arc(194.17,49.1) 194.26,49.51 194.26,49.65 arc(194.31,49.93) 194.47,50.18 arc(194.72,50.34) 195,50.39 203.99,50.39 arc(204.68,50.53) 205.27,50.92 arc(205.66,51.51) 205.79,52.2 205.79,55.15 arc(205.87,55.53) 206.09,55.85 arc(206.41,56.07) 206.79,56.14 219.35,56.14 arc(219.69,56.08) 219.98,55.88 arc(220.17,55.6) 220.24,55.26 220.24,51.34 arc(220.35,50.77) 220.67,50.29 arc(221.15,49.97) 221.72,49.85 243.07,49.85 arc(243.23,49.82) 243.37,49.73 arc(243.47,49.59) 243.5,49.42 S56.1
  Bottom w0.25: S38.1 246.07,49.37 arc(245.96,48.82) 245.64,48.35 arc(245.18,48.04) 244.62,47.93 S56.1
mirror_matrix_pinky_top: length 131.2
  Top w0.25: S57.1 244.98,66.13 arc(244.93,66.36) 244.8,66.56 arc(244.61,66.69) 244.38,66.73 220.1,66.73 arc(219.86,66.78) 219.65,66.92 arc(219.51,67.12) 219.47,67.37 219.47,72.52 arc(219.39,72.87) 219.19,73.18 arc(218.89,73.38) 218.53,73.45 206.46,73.45 arc(206.21,73.4) 205.99,73.26 arc(205.85,73.04) 205.79,72.79 205.79,70.93 arc(205.65,70.21) 205.24,69.6 arc(204.63,69.19) 203.91,69.04 195.15,69.04 arc(194.68,68.95) 194.27,68.68 arc(194,68.27) 193.91,67.8 193.91,67.02 arc(193.78,66.37) 193.41,65.81 arc(192.85,65.45) 192.2,65.32 188.03,65.32 arc(187.63,65.24) 187.3,65.01 arc(187.07,64.68) 186.99,64.28 186.99,62.87 arc(186.84,62.1) 186.41,61.46 arc(185.76,61.03) 185,60.87 165.77,60.87 arc(165.2,60.76) 164.72,60.44 arc(164.4,59.96) 164.29,59.39 164.29,43.94 arc(164.23,43.64) 164.06,43.38 arc(163.8,43.22) 163.5,43.16 RP2040Zero2.7
  Bottom w0.25: S39.1 247.55,65.87 arc(247.47,65.49) 247.25,65.16 arc(246.93,64.94) 246.54,64.86 S57.1
mirror_matrix_ring_bottom: length 118.9
  Top w0.25: S58.1 222.89,38.96 arc(222.83,39.31) 222.63,39.6 arc(222.34,39.8) 221.99,39.86 200.89,39.86 arc(200.41,39.77) 200,39.5 arc(199.73,39.09) 199.64,38.61 199.64,37.02 arc(199.53,36.48) 199.23,36.03 arc(198.78,35.73) 198.24,35.62 190.56,35.62 arc(190.21,35.55) 189.91,35.36 arc(189.72,35.06) 189.65,34.71 189.65,33.19 arc(189.55,32.71) 189.28,32.3 arc(188.87,32.03) 188.39,31.93 172.86,31.93 arc(172.34,31.83) 171.9,31.53 171.75,31.38 arc(171.56,31.1) 171.5,30.77 arc(171.43,30.44) 171.24,30.16 170.99,29.9 arc(170.43,29.53) 169.76,29.4 154.42,29.4 arc(153.6,29.23) 152.9,28.77 152.58,28.45 arc(152.36,28.11) 152.28,27.71 152.28,27.63 arc(152.21,27.3) 152.02,27.02 arc(151.74,26.83) 151.41,26.76 147.43,26.76 arc(147.09,26.83) 146.81,27.02 arc(146.62,27.3) 146.56,27.63 146.56,30.78 arc(146.63,31.17) 146.86,31.5 arc(147.08,31.84) 147.16,32.23 147.16,33.54 arc(147.09,33.86) 146.92,34.12 arc(146.65,34.3) 146.34,34.36 141.39,34.36 arc(141.31,34.38) 141.23,34.43 arc(141.18,34.5) 141.17,34.59 141.17,40.16 arc(141.2,40.34) 141.3,40.48 arc(141.44,40.58) 141.62,40.62 RP2040Zero2.16
  Bottom w0.25: S58.1 223.72,37.88 arc(224.06,37.94) 224.36,38.14 arc(224.55,38.43) 224.62,38.77 S40.1
mirror_matrix_ring_middle: length 101.7
  Top w0.25: S59.1 222.89,55.98 arc(222.85,56.22) 222.72,56.41 arc(222.52,56.55) 222.28,56.59 206.79,56.59 arc(206.24,56.48) 205.77,56.17 arc(205.45,55.7) 205.34,55.15 205.34,52.2 arc(205.24,51.68) 204.95,51.24 arc(204.51,50.95) 203.99,50.84 195,50.84 arc(194.54,50.75) 194.16,50.49 194.12,50.46 arc(193.89,50.11) 193.81,49.7 193.81,49.67 arc(193.73,49.29) 193.51,48.97 arc(193.19,48.75) 192.81,48.67 188.01,48.67 arc(187.68,48.61) 187.4,48.42 arc(187.21,48.14) 187.15,47.81 187.15,45.88 arc(187.02,45.24) 186.66,44.7 arc(186.12,44.34) 185.48,44.21 170.54,44.21 arc(170.53,44.21) 170.52,44.21 arc(170.52,44.21) 170.51,44.2 167.66,44.2 arc(167.06,44.08) 166.55,43.74 arc(166.21,43.23) 166.09,42.63 166.09,36.6 arc(165.94,35.89) 165.54,35.28 arc(164.93,34.87) 164.21,34.73 154.35,34.73 arc(154.1,34.78) 153.89,34.92 arc(153.75,35.13) 153.7,35.37 RP2040Zero2.11
  Bottom w0.25: S59.1 223.64,54.88 arc(224.01,54.95) 224.33,55.16 arc(224.54,55.48) 224.62,55.86 S41.1
mirror_matrix_ring_top: length 100.1
  Top w0.25: S60.1 222.89,73.1 arc(222.83,73.41) 222.66,73.67 arc(222.4,73.84) 222.1,73.9 206.46,73.9 arc(206.04,73.82) 205.67,73.58 arc(205.43,73.21) 205.34,72.79 205.34,70.93 arc(205.23,70.38) 204.92,69.91 arc(204.46,69.6) 203.91,69.49 195.14,69.49 arc(194.47,69.36) 193.91,68.99 arc(193.54,68.43) 193.41,67.76 193.41,66.98 arc(193.31,66.52) 193.05,66.12 arc(192.65,65.86) 192.19,65.77 188.03,65.77 arc(187.46,65.65) 186.98,65.33 arc(186.66,64.85) 186.54,64.28 186.54,62.87 arc(186.43,62.28) 186.09,61.78 arc(185.59,61.44) 185,61.32 165.77,61.32 arc(165.03,61.18) 164.4,60.76 arc(163.98,60.13) 163.84,59.39 163.84,46.53 arc(163.77,46.21) 163.59,45.94 arc(163.32,45.76) 163,45.7 RP2040Zero2.6
  Bottom w0.25: S42.1 224.62,73.03 arc(224.53,72.59) 224.28,72.21 arc(223.91,71.96) 223.46,71.88 S60.1
mirror_thumbs_inner_cluster: length 108.2
  Top w0.25: S70.1 181.33,10.63 arc(180.95,10.71) 180.62,10.93 arc(180.4,11.26) 180.33,11.64 180.33,12.73 arc(180.25,13.13) 180.02,13.47 arc(179.67,13.7) 179.27,13.78 170.95,13.78 arc(170.52,13.87) 170.16,14.11 arc(169.92,14.47) 169.84,14.89 169.84,27.45 arc(169.76,27.85) 169.53,28.19 arc(169.19,28.42) 168.79,28.5 154.42,28.5 arc(153.94,28.4) 153.54,28.13 153.48,28.07 arc(153.26,27.73) 153.18,27.33 arc(153.1,26.93) 152.87,26.59 152.66,26.38 arc(152.08,26) 151.41,25.86 144.92,25.86 arc(144.4,25.97) 143.96,26.26 arc(143.67,26.7) 143.57,27.22 143.57,30.83 arc(143.5,31.15) 143.32,31.42 arc(143.05,31.6) 142.74,31.66 140.83,31.66 arc(140.6,31.71) 140.4,31.84 arc(140.27,32.04) 140.22,32.28 140.22,44.67 arc(140.3,45.06) 140.52,45.4 arc(140.85,45.62) 141.24,45.7 RP2040Zero2.18
  Bottom w0.25: S52.1 193.71,19.37 arc(193.18,19.27) 192.74,18.97 arc(192.44,18.53) 192.34,18 192.34,11.5 arc(192.4,11.17) 192.59,10.89 arc(192.87,10.7) 193.21,10.63 S70.1
mirror_thumbs_middle_cluster: length 84.8
  Top w0.25: S71.1 170.62,12.17 arc(170.15,12.27) 169.75,12.53 arc(169.48,12.93) 169.39,13.4 169.39,27.33 arc(169.33,27.6) 169.17,27.84 arc(168.94,27.99) 168.66,28.05 154.42,28.05 arc(154.12,27.99) 153.86,27.81 arc(153.69,27.56) 153.63,27.25 153.63,27.15 arc(153.55,26.75) 153.32,26.41 152.98,26.06 arc(152.26,25.58) 151.41,25.41 144.92,25.41 arc(144.23,25.55) 143.64,25.94 arc(143.25,26.53) 143.12,27.22 143.12,28.1 arc(143.04,28.48) 142.83,28.8 arc(142.5,29.02) 142.13,29.09 140.45,29.09 arc(140.15,29.15) 139.9,29.32 arc(139.73,29.58) 139.67,29.88 139.67,46.55 arc(139.8,47.2) 140.17,47.75 arc(140.72,48.12) 141.37,48.25 143.53,48.25
  Bottom w0.25: S71.1 174.07,12.86 arc(174.59,13.63) 174.77,14.53 S53.1
mirror_thumbs_outer_cluster: length 65.6
  Bottom w0.25: RP2040Zero2.23 141.64,50.78 arc(141.07,50.66) 140.58,50.33 arc(140.25,49.85) 140.14,49.27 140.14,33.19 arc(140.26,32.59) 140.6,32.07 arc(141.11,31.73) 141.71,31.61 146.46,31.61 arc(146.71,31.66) 146.92,31.8 arc(147.06,32.01) 147.11,32.27 147.11,33.47 arc(147.16,33.72) 147.31,33.94 arc(147.52,34.08) 147.77,34.13 150.36,34.13 arc(150.7,34.07) 150.98,33.88 arc(151.17,33.59) 151.24,33.26 151.24,30.44 arc(151.18,30.14) 151.01,29.89 arc(150.76,29.73) 150.47,29.67 150.35,29.67 arc(149.94,29.59) 149.6,29.36 149.54,29.3 arc(149.27,28.89) 149.17,28.4 149.17,17.35 arc(149.24,17.01) 149.42,16.73 arc(149.71,16.54) 150.04,16.48 S54.1 152.87,15.62 arc(153.51,14.67) 153.73,13.55 S72.1
rP3V3: length 39.8
  Bottom w0.25: 149.44,32.73 149.44,30.33 arc(149.34,29.87) 149.08,29.47 arc(148.69,29.21) 148.22,29.12 140.97,29.12 arc(140.48,29.22) 140.06,29.49 arc(139.78,29.91) 139.69,30.4 139.69,52.04 arc(139.78,52.53) 140.06,52.94 arc(140.47,53.22) 140.96,53.32 RP2040Zero2.21
rRX: length 43.7
  Bottom w0.25: TRRS2.4 142.49,34.17 arc(142.56,34.5) 142.75,34.78 arc(143.03,34.97) 143.36,35.03 160.44,35.03 arc(160.84,35.11) 161.18,35.34 arc(161.41,35.68) 161.49,36.08 161.49,55.2 arc(161.44,55.45) 161.3,55.66 arc(161.08,55.81) 160.83,55.86 RP2040Zero2.2
rTX: length 43.9
  Bottom w0.25: TRRS2.3 145.49,33.63 arc(145.57,34) 145.77,34.3 arc(146.08,34.51) 146.44,34.58 160.44,34.58 arc(161.01,34.7) 161.5,35.02 arc(161.82,35.5) 161.94,36.08 161.94,57.74 arc(161.89,57.99) 161.75,58.2 arc(161.53,58.35) 161.28,58.4 RP2040Zero2.1
RX: length 34.6
  Bottom w0.25: TRRS1.3 116.41,28.29 arc(116.65,28.33) 116.85,28.47 arc(116.99,28.67) 117.04,28.91 117.04,31.53 arc(117.08,31.75) 117.2,31.93 arc(117.38,32.05) 117.6,32.09 119.15,32.09 arc(119.8,32.22) 120.36,32.59 arc(120.73,33.15) 120.86,33.8 120.86,51.69 arc(120.86,51.69) 120.85,51.7 arc(120.85,51.71) 120.85,51.71 120.85,54.89 arc(120.77,55.26) 120.56,55.57 arc(120.25,55.78) 119.88,55.86 RP2040Zero1.2
thumbs_inner_cluster: length 126
  Top w0.25: S34.1 57.6,8.89 arc(57.72,9.5) 58.07,10.02 arc(58.59,10.37) 59.2,10.49 78.69,10.49 arc(79.26,10.61) 79.75,10.93 arc(80.07,11.42) 80.19,11.99 80.19,25.01 arc(80.3,25.6) 80.64,26.09 arc(81.13,26.43) 81.72,26.54 88.3,26.54 arc(89.25,26.73) 90.06,27.27 90.34,27.55 arc(90.67,28.05) 90.79,28.63 90.79,29.14 arc(90.81,29.26) 90.88,29.37 arc(90.99,29.44) 91.11,29.46 108.03,29.46 arc(108.41,29.38) 108.74,29.16 arc(108.96,28.84) 109.04,28.45 109.04,27.6 arc(109.19,26.81) 109.64,26.15 arc(110.3,25.7) 111.09,25.54 120.03,25.54 arc(120.5,25.64) 120.89,25.9 arc(121.15,26.29) 121.25,26.76 121.25,47.25 arc(121.17,47.63) 120.96,47.95 arc(120.64,48.16) 120.26,48.24 RP2040Zero1.5
  Bottom w0.25: S16.1 54.5,17.35 arc(54.17,17.28) 53.89,17.1 arc(53.7,16.82) 53.64,16.49 53.64,8.61 arc(53.72,8.2) 53.95,7.86 arc(54.29,7.63) 54.7,7.54 S34.1
thumbs_middle_cluster: length 82.7
  Bottom w0.25: 117.69,50.58 119.48,50.58 arc(119.66,50.55) 119.82,50.44 arc(119.92,50.29) 119.96,50.11 119.96,33.8 arc(119.9,33.49) 119.72,33.23 arc(119.46,33.06) 119.15,32.99 117.6,32.99 arc(117.04,32.88) 116.56,32.57 arc(116.25,32.09) 116.14,31.53 116.14,30.71 arc(116.08,30.43) 115.92,30.19 arc(115.68,30.03) 115.39,29.97 115.16,29.97 arc(114.65,29.87) 114.23,29.58 114.13,29.49 arc(113.77,28.95) 113.65,28.32 113.65,24.03 arc(113.5,23.28) 113.07,22.64 arc(112.43,22.21) 111.68,22.06 99.94,22.06 arc(99.53,22.15) 99.18,22.38 arc(98.94,22.73) 98.86,23.14 98.86,23.67 arc(98.79,24.02) 98.6,24.31 arc(98.31,24.5) 97.96,24.57 80.61,24.57 arc(80.26,24.5) 79.97,24.3 arc(79.77,24.01) 79.7,23.66 S17.1 79.7,14 arc(79.59,13.43) 79.27,12.95 79.26,12.95 arc(78.79,12.63) 78.24,12.52 S35.1
thumbs_outer_cluster: length 66.8
  Bottom w0.25: S36.1 97.28,10.14 arc(96.87,10.23) 96.52,10.46 arc(96.29,10.8) 96.21,11.21 96.21,17.44 arc(96.31,17.93) 96.58,18.34 arc(97,18.62) 97.49,18.72 S18.1 102.85,20.22 arc(102.95,20.75) 103.25,21.21 arc(103.71,21.51) 104.24,21.61 111.68,21.61 arc(112.61,21.8) 113.39,22.32 arc(113.91,23.1) 114.1,24.03 114.1,28.32 arc(114.19,28.78) 114.45,29.17 arc(114.84,29.43) 115.3,29.52 115.39,29.52 arc(115.85,29.61) 116.24,29.87 arc(116.5,30.26) 116.59,30.71 116.59,31.53 arc(116.66,31.92) 116.88,32.25 arc(117.21,32.47) 117.6,32.54 119.15,32.54 arc(119.63,32.64) 120.04,32.91 arc(120.31,33.32) 120.41,33.8 120.41,51.5 arc(120.41,51.51) 120.4,51.51 arc(120.4,51.52) 120.4,51.53 120.4,52.22 arc(120.31,52.64) 120.08,52.99 arc(119.72,53.23) 119.3,53.32 RP2040Zero1.3
TX: length 35.7
  Bottom w0.25: TRRS1.4 120.49,28.29 arc(120.8,28.35) 121.07,28.53 arc(121.24,28.79) 121.31,29.1 121.31,56.92 arc(121.19,57.49) 120.88,57.96 arc(120.4,58.28) 119.83,58.4 RP2040Zero1.1

## Copper pours and planes (outline as drawn; the poured copper is in the pictures)
GND on Bottom: 122.58,44.02 122.75,58.22 121.59,62.58 104.67,62.47 101.19,64.08 99.6,80.19 69.96,90.42 44.34,95.83 28.9,91.06 -2.22,76.82 3.1,19.78 40.83,23.89 52.6,-2.16 77.58,3.68 110.59,-3.54 117.92,9.07 126.86,27.75 122.58,44.05
rGND on Bottom: 136.1,40.31 136.27,60.78 138.39,63.96 159.41,63.7 161.23,80.13 198,93.58 219.82,93.13 263.94,78.61 257.93,22.17 216.69,26.07 208.18,-0.27 203.01,-1.23 187.07,4.36 171.6,4.13 149.71,-3.43 144.44,4.24 135.39,27.39 136.1,40.36

## Text on the board
Top: github.com/dlip/mushi
F.Mask: github.com/dlip/mushi
